# Altium PCB VNA_BASE_AF2P-5.PcbDoc (part 2 of 3)
Units mil, origin at the board's own origin, x right, y up, seen from the top; angles counter-clockwise.
Board outline 5118.11 x 2952.76 mil, 4 copper layers (Top Layer, GND, Signal Layer 1, Bottom Layer), stack 30.634 mil thick; 383 components, 339 nets, 1503 pads, 958 vias.
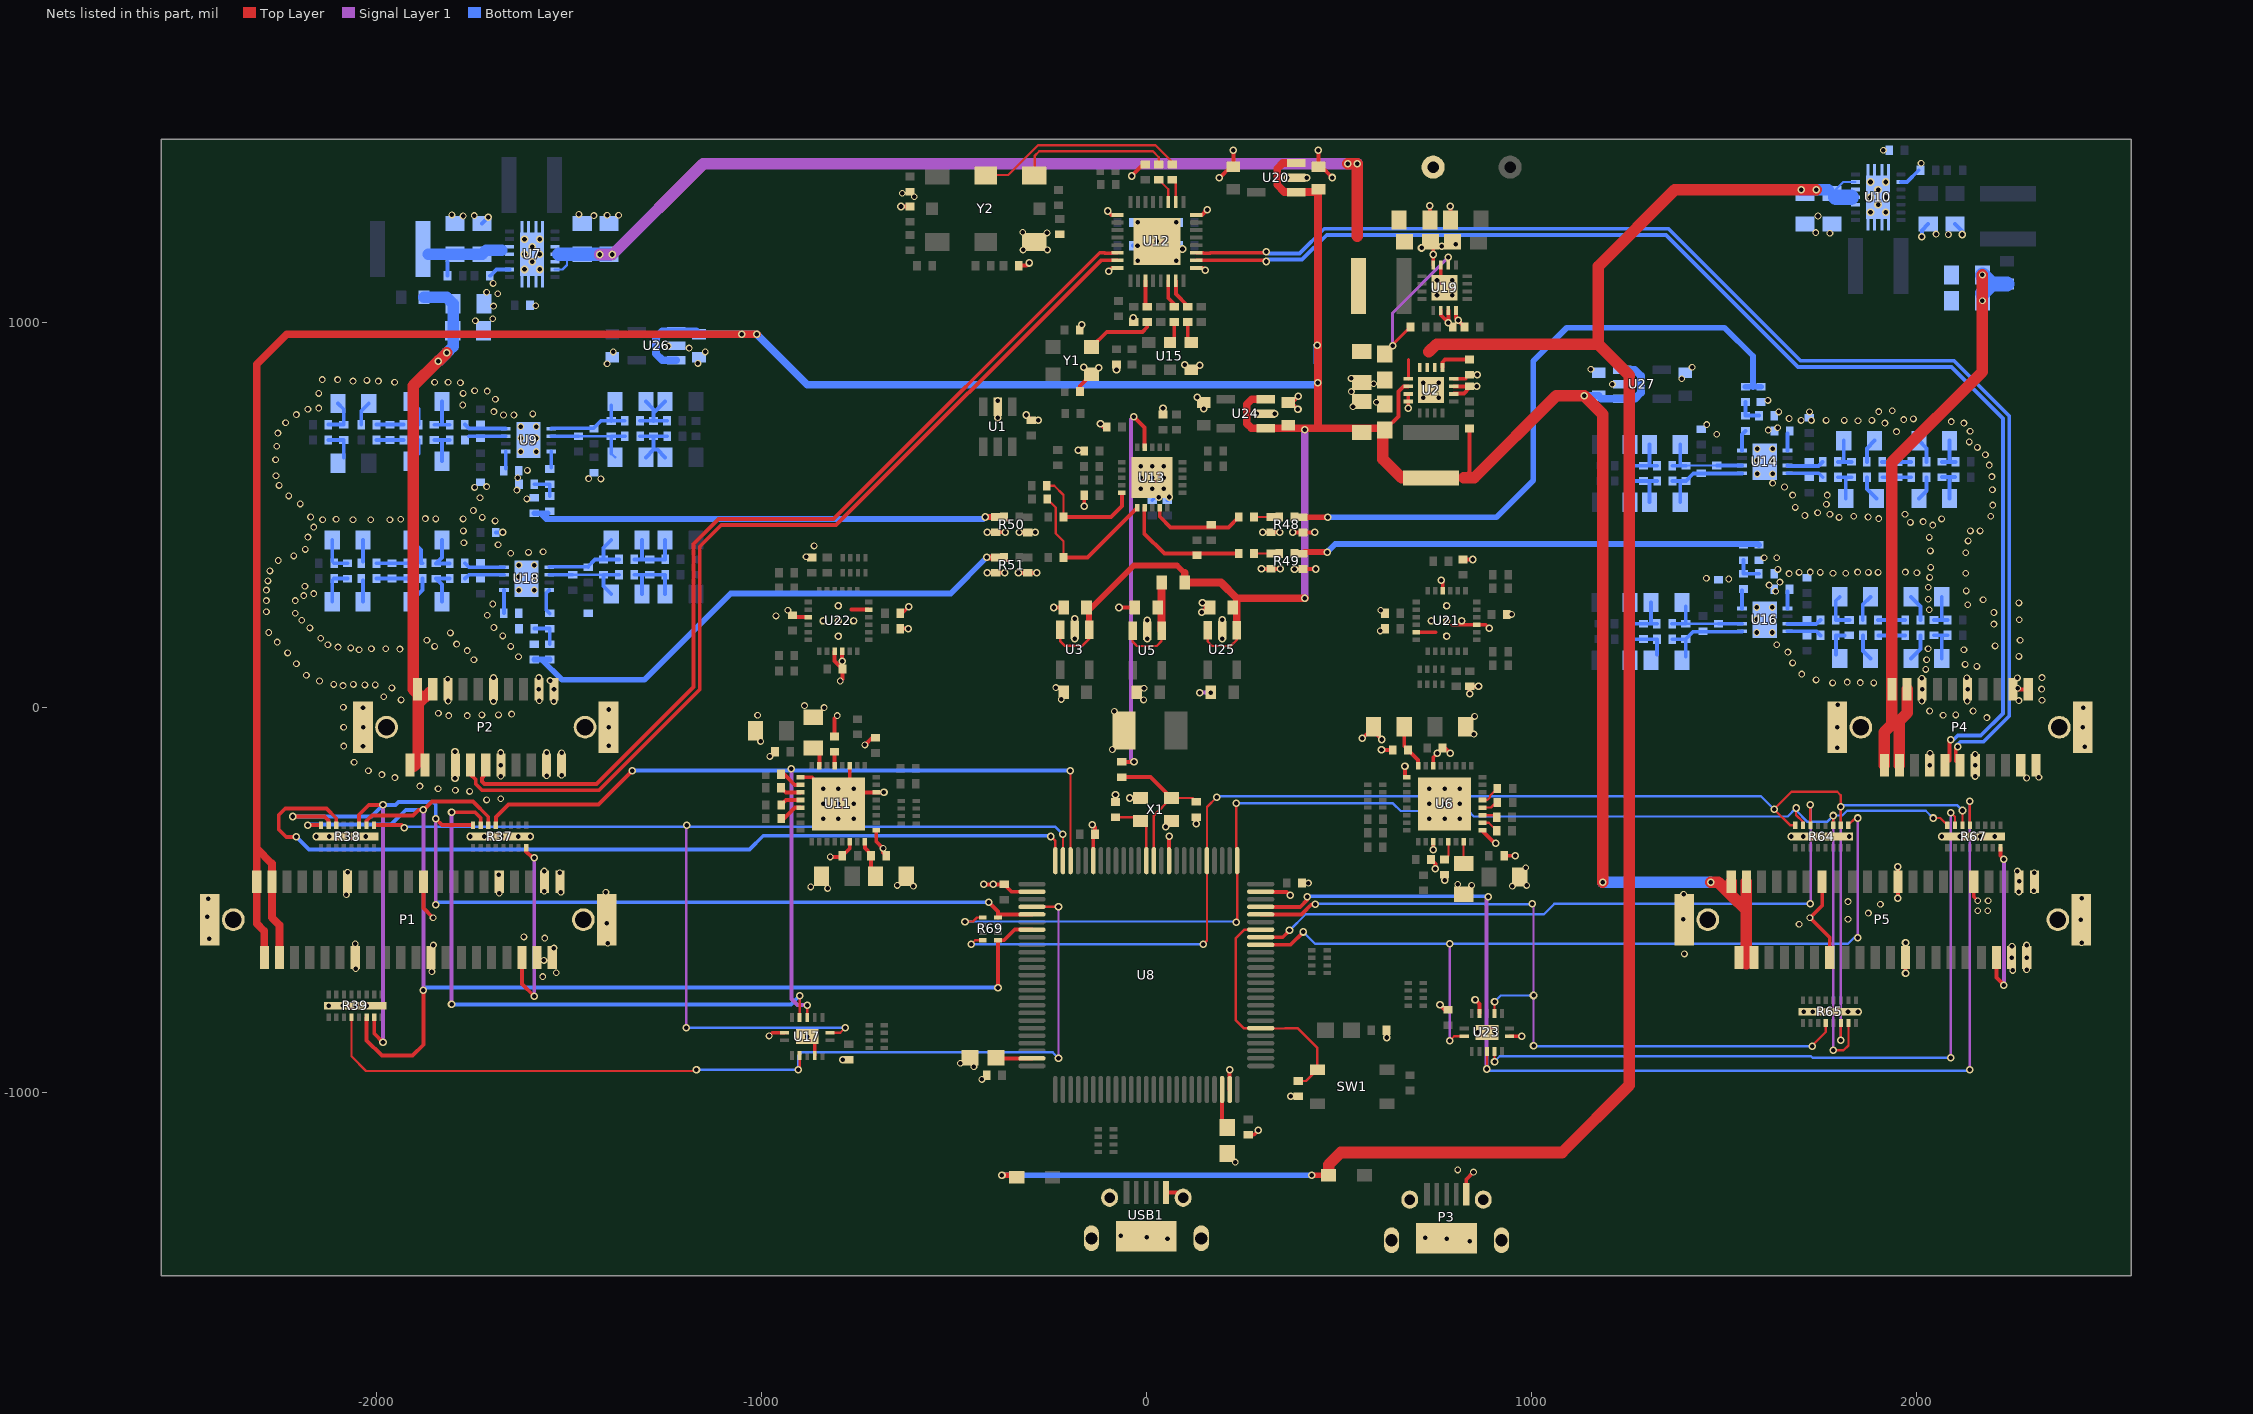
[diagram p4: the nets of this part, all layers, seen from the top]

## Via types
v1: diameter 19.68, hole 11.81, Top Layer to Bottom Layer, 478 vias
v2: diameter 17.72, hole 11.81, Top Layer to Bottom Layer, 464 vias
v3: diameter 20, hole 12, Top Layer to Bottom Layer, 16 vias

## Nets (pads, with @x,y where several pads share a name; then routed paths per layer and width w, separated by ;. In a path a pad name is that pad's centre, name@x,y a point inside that pad or via, vN(x,y) a via of type N, cw(c..) or ccw(c..) an arc to the next point about the centre after c; other vN are vias at no path point) (continued)
3.6V: C10.2 C11.2 C13.2 C193.2 C196.2 C198.2 C200.2 C202.2 L47.2 P1.1 P1.2 P1.40 P1.41 P5.1 P5.2 P5.40 P5.41 R5.1 R7.2 U2.14 U3.1 U3.3 U20.1 U20.3 U24.1 U24.3 U25.1 U25.3 U26.1 U26.3 U27.1 U27.3 | length 11147
  Top Layer w6: U3.3@-223.95,201.59 -223.95,172.95 -211.21,160.21 -166.79,160.21 -148.55,178.45 U3.1@-148.55,201.59 ; U25.3@159.44,201.15 159.44,171.56 171.28,159.72 218.72,159.72 234.84,175.84 U25.1@234.84,201.15
  Top Layer w10: C10.2@624.54,725.54 655,756 655,821.5 668.03,834.53 U2.14@680.63,834.53 ; L47.2@739.69,596.58 824.58,596.58 839.69,611.69 R5.1@839.69,725
  Top Layer w15: U3.1@-148.55,201.59 -148.55,253.08 -32.63,369 80,369 99.53,349.47
  Top Layer w20: P1.41@-2291.34,-649.61 -2291.34,-580.66 -2311.02,-560.98 -2311.02,-365.98 ; P1.40@-2251.97,-649.61 -2251.97,-565.03 -2271.65,-545.35 -2271.65,-405.35 -2311.02,-365.98 ; v1(-1011.53,969.53) v1(-1051,969.53) -2233.47,969.53 -2311.02,891.98 -2311.02,-365.98 ; 99.53,349.47 R7.2@99.53,325 194,325 234.84,284.16 ; U25.1@234.84,201.15 234.84,284.16 ; U24.3@310.15,800.94 273.94,800.94 261.1,788.1 261.1,737.9 273.46,725.54 U24.1@310.15,725.54 446,725.54 ; U20.3@389.4,1414.72 354.72,1414.72 339.87,1399.87 339.87,1358.13 358.69,1339.31 U20.1@389.4,1339.31 440.34,1339.31 446,1344.98 446,725.54 ; v1(412,284) 412.16,284.16 234.84,284.16 ; C10.2@619.69,720.69 614.83,725.54 446,725.54
  Top Layer w30: C10.2@614.83,725.54 614.83,645.17 663.42,596.58 L47.2@739.69,596.58 ; 824.58,596.58 851.58,596.58 1065,810 v1(1138,810) 1186,762 v1(1186,-454) ; v1(1466,-454) 1486.06,-454 1519.68,-487.63 ; P5.1@1519.69,-452.76 1519.68,-487.63 ; 1559.06,-666.06 1559.06,-527 ; P5.2@1559.06,-452.76 1559.06,-527 ; 1519.68,-487.63 1559.06,-527
  Signal Layer 1 w20: v1(412,284) v1(412,722)
  Bottom Layer w20: U26.3@-1220.81,902 -1257,902 -1274,919 -1274,961 -1257.6,977.4 U26.1@-1220.81,977.4 C200.2@-1169.88,977.4 ; C200.2@-1162,969.53 v1(-1051,969.53) v1(-1011.53,969.53) -881,839 440.95,839 v1(445.47,843.53) v1(444.47,941.53) ; v1(1138,810) C202.2@1174.53,810 ; C202.2@1181.94,802.58 U27.1@1236.52,802.58 1269.58,802.58 1285,818 1285,862 1269.02,877.98 U27.3@1236.52,877.98
  Bottom Layer w30: v1(1186,-454) v1(1466,-454)
5.5V-A: C42.1 C45.1 P2.10 P2.11 P2.12 P2.13 R23.1 | length 1412.8
  Top Layer w30: P2.11@-1903,-153 -1892,-142 -1892,9.22 ; P2.13@-1861.11,40.11 -1892,9.22 ; v1(-1839,900) v1(-1817,922) ; v1@-1839,901 -1904.33,835.67 -1904.33,47.24 -1892,34.91 -1892,9.22
  Bottom Layer w30: R23.1@-1876.47,1066 -1818,1066 C45.1@-1801,1049 -1801,938 v1(-1817,922) v1(-1839,900)
5.5V-B: C206.1 C208.1 P4.10 P4.11 P4.12 P4.13 R55.1 | length 1691.5
  Top Layer w30: P4.11@1917.32,-149.61 1917.32,-63.68 1937.01,-43.99 P4.12@1937.01,47.24 1937.01,637.01 2172.29,872.29 v2(2172.29,1057) v2(2172.29,1124.02) ; P4.10@1956.69,-149.61 1956.69,-34.31 1977,-14 1977,46.62 P4.13@1976.38,47.24
  Bottom Layer w39.37: C206.1@2172.29,1076.93 2195.83,1100.47 ; v2(2172.29,1124.02) 2195.83,1100.47 ; R55.1@2236,1100.47 2195.83,1100.47
5V: C8.1 C9.1 C43.1 C44.1 C48.2 C87.1 C88.1 C171.2 D1.2 D2.2 L48.2 R24.1 U2.10 U2.11 U2.12 U2.13 U7.10 U7.11 U7.12 U7.13 U10.10 U10.11 U10.12 U10.13 U19.14 | length 8185.6
  Top Layer w8: C9.1@619.69,922.44 R24.1@686.17,988.92 ; U2.13@680.63,854.21 680.63,904.37 ; U19.14@784.69,1149.98 v1(784.69,1169.69)
  Top Layer w15: v1(-375,-1215) D2.2@-341.46,-1215 ; v1(430,-1215) D1.2@473.54,-1215
  Top Layer w30: D1.2@473.54,-1215 473.54,-1187.46 505,-1156 1080,-1156 1255,-981 1255,863 1174,944 ; v1(523,1413) v1(548,1413) 548,1224 ; 734,924 754,944 1174,944 ; v1(1701,1345) v1(1740,1345) 1373,1345 1174,1146 1174,944
  Signal Layer 1 w8: v1(640,940) 640,1025 v1(784.69,1169.69)
  Signal Layer 1 w30: v1(-1420,1177) v1(-1387,1177) -1151,1413 v1(523,1413) v1(548,1413)
  Bottom Layer w6: U7.13@-1536.63,1138.26 -1516.74,1138.26 -1505,1150 -1505,1177.63 ; C43.1@1781.17,1335.87 1810.54,1365.24 U10.13@1842.11,1365.24
  Bottom Layer w15: v1(-375,-1215) v1(430,-1215)
  Bottom Layer w30: v1(1701,1345) v1(1740,1345) C43.1@1772.03,1345
  Bottom Layer w35: U7.11@-1527,1177.63 -1505,1177.63 C87.1@-1465.68,1177.63 C88.1@-1395.68,1177.63
  Bottom Layer w40: C43.1@1791.17,1325.87 U10.11@1831,1325.87
CS_CALI: P1.24 R37.8 | length 510.8
  Top Layer w10: P1.24@-1622.05,-649.61 -1622.05,-717.95 v1(-1590,-750) ; R37.8@-1611.1,-364.53 -1611.1,-373.9 -1595,-390 v1(-1590,-390)
  Signal Layer 1 w10: v1(-1590,-750) v1(-1590,-390)
CS_CALI2: P5.24 R67.8 | length 439.6
  Top Layer w10: P5.24@2208.66,-649.61 2208.66,-701.66 v1(2228,-721) ; R67.8@2218.9,-364.53 2218.9,-384.9 v1(2228,-394)
  Signal Layer 1 w10: v1(2228,-721) v1(2228,-394)
CS_LO: R38.9 U8.24 U17.1 | length 2859.8
  Top Layer w6: U17.1@-821.93,-844.87 -794.87,-844.87 v1(-782,-832) ; U8.24@-216.54,-397.76 v1(-216.54,-329.46)
  Top Layer w10: R38.9@-2006.1,-305.47 -1934.53,-305.47 v1(-1928,-312)
  Signal Layer 1 w6: v1(-1195,-832) -1195,-307 v1(-1194,-306)
  Bottom Layer w6: v1(-1928,-312) -1928,-316 -1922,-310 -236,-310 v1(-216.54,-329.46) ; v1(-1195,-832) v1(-782,-832)
CS_LO2: R64.9 U8.92 U23.1 | length 2221.7
  Top Layer w6: v1(788,-866) 800.16,-853.84 U23.1@825.94,-853.84 ; R64.9@1823.9,-305.47 1842.37,-287 v1(1848,-287)
  Top Layer w10: U8.92@297.24,-616.26 374.74,-616.26 v1(408,-583)
  Signal Layer 1 w6: v1(788,-866) v1(788,-614) ; v1(1848,-598) v1(1848,-287)
  Bottom Layer w6: v1(408,-583) 439,-614 v1(788,-614) 1822.32,-614 1838.32,-598 v1(1848,-598)
CS_SOURCE: R39.4 U8.29 U17.10 | length 2496.7
  Top Layer w6: R39.4@-2064.84,-804.53 -2064.84,-906.16 -2027,-944 v1@-1172,-944 ; v1(-904,-940.66) -900.67,-937.33 U17.10@-900.67,-903.92 ; U8.29@-297.24,-517.84 v1(-228.16,-517.84)
  Signal Layer 1 w6: v1(-228.16,-910.84) v1(-228.16,-517.84)
  Bottom Layer w6: v1(-1168.66,-940.66) v1(-904,-940.66) -904,-904.68 -895.16,-895.84 -243.16,-895.84 v1(-228.16,-910.84)
CS_SOURCE2: R65.4 U8.96 U23.10 | length 2026.2
  Top Layer w6: U23.10@904.68,-794.79 v1(904.68,-764.32) ; v1(1730,-880) 1730,-878 1765.16,-842.84 R65.4@1765.16,-819.53
  Top Layer w10: U8.96@297.24,-537.52 403.11,-537.52 412.16,-528.47 412.16,-528.37 424.37,-516.16 424.47,-516.16 429.63,-511 v1(439,-511)
  Signal Layer 1 w6: v1(1003,-510) 1006,-513 v1(1006,-748) v1(1006,-879)
  Bottom Layer w6: v1(439,-511) 440,-510 879.35,-510 880.2,-510.84 1002.16,-510.84 v1(1003,-510) ; v1(904.68,-764.32) 921,-748 v1(1006,-748) ; v1(1006,-879) 1007,-880 v1(1730,-880)
CSB_ATT: R38.14 U8.25 | length 2333.5
  Top Layer w6: v1(-248,-335) -236.22,-346.78 U8.25@-236.22,-397.76
  Top Layer w10: v1(-2208,-336) -2234.48,-336 -2254,-316.48 -2254,-279 -2237.16,-262.16 -2129.98,-262.16 -2104.53,-287.6 R38.14@-2104.53,-305.47
  Bottom Layer w10: v1(-2208,-336) -2175,-369 -1031,-369 -995,-333 -250,-333 v1(-248,-335)
CSB_ATT2: R64.14 U8.93 | length 1776.3
  Top Layer w6: v1(1725,-252) 1725,-305.47 R64.14@1725.47,-305.47
  Top Layer w10: U8.93@297.24,-596.58 354.42,-596.58 v1(372,-579)
  Signal Layer 1 w6: v1(1725,-510) 1725.84,-509.16 1725.84,-252.84 v1(1725,-252)
  Bottom Layer w6: v1(372,-579) 414,-537 1033,-537 1060,-510 v1(1725,-510)
GND: C1.1 C2.1 C3.1 C4.1 C5.1 C6.1 C7.1 C8.2 C9.2 C10.1 C11.1 C12.1 C13.1 C14.2 C15.1 C16.1 C17.1 C18.1 C19.1 C20.1 C21.1 C22.1 C23.1 C24.1 C25.1 C26.1 C29.1 C32.1 C33.1 C34.1 C36.1 C38.1 C39.1 C40.1 C41.1 C42.2 C43.2 C44.2 C45.2 C46.2 C47.2 C48.1 C49.1 C50.1 C55.1 C56.1 C57.1 C59.2 C60.1 C77.1 C78.1 C79.1 C81.2 C82.1 C86.2 C87.2 C88.2 C89.2 C101.1 C102.1 C103.1 C104.1 C105.1 C106.1 C107.1 C110.1 C113.1 C114.1 C115.1 C117.2 C118.1 C139.1 C140.1 C142.2 C143.1 C164.1@-299,746.69 C166.1 C171.1 C172.2 C173.1 C174.1 C175.1 C177.2 C181.1 C182.1 C183.1 C184.1 C186.2 C190.1 C191.1 C192.1 C193.1 C194.1 C195.1 C196.1 C197.1 C198.1 C199.1 C200.1 C201.1 C202.1 C203.1 C204.1 C205.2 C206.2 C207.2 C208.2 C209.2 C210.2 P1.0 P1.7 P1.12 P1.17 P1.20 P1.21 P1.22 P1.23 P1.30 P1.35 P2.0 P2.1 P2.2 P2.5 P2.8 P2.14 P2.17 P2.20 P2.21 P3.5 P4.0 P4.1 P4.2 P4.5 P4.8 P4.14 P4.17 P4.20 P4.21 P5.0 P5.7 P5.12 P5.17 P5.20 P5.21 P5.22 P5.23 P5.30 P5.35 R1.1 R6.2 R18.2 R20.2 R22.2 R27.2 R32.1 R34.1 R37.0 R38.0 R39.0 R43.1 R46.1 R48.3 R49.3 R50.3 R51.3 R54.2 R56.2 R64.0 R65.0 R67.0 R73.1 R74.1 R75.1 T2.1 U1.2 U2.0 U2.6 U2.7 U2.8 U2.15 U2.16 U3.2 U5.2 U6.0 U6.3 U6.9 U6.22 U6.25 U7.0 U7.2 U8.10 U8.20 U8.27 U8.74 U8.99 U9.0 U10.0 U10.2 U11.0 U11.3 U11.9 U11.22 U11.25 U11.30 U12.0 U12.1 U12.8 U12.17 U12.24 U13.0 U14.0 U15.3 U16.0 U17.0 U17.7 U17.12 U18.0 U19.0 U19.6 U19.7 U19.8 U19.15 U19.16 U20.2 U21.0 U21.9 U21.16 U21.23 U22.0 U22.9 U22.15 U22.16 U22.23 U23.0 U23.7 U23.12 U24.2 U25.2 U26.2 U27.2 USB1.5 X1.2 X1.4 Y1.2 Y2.3 | length 6093.8
  Top Layer w10: v1(-2156,-335) v1(-2123,-335) v1(-2073,-335) v1(-2028,-335) ; P1.12@-1877.95,-452.76 -1877.95,-521.05 v2(-1853,-546) ; v1(-1756,-335) v1(-1720,-335) v1(-1676,-335) v1(-1632,-335) v1(-1600,-335) ; v2(-980,-853) -971.87,-844.87 U17.7@-940.04,-844.87 ; C183.1@-914.2,234.84 U22.9@-878.74,234.84 ; U11.9@-898.43,-181.1 -868.9,-181.1 v1(-839.37,-210.63) v1(-800,-250) ; U17.12@-861.3,-903.92 U17.0@-861.3,-874.39 ; v2(-821,-388) -792.69,-388 C104.1@-789.69,-385 -770.47,-365.79 U11.22@-770.47,-348.43 ; C110.1@-810,-75.32 -810,-28 ; U22.15@-809.84,146.26 -809.84,120.48 C190.1@-789.4,100.04 v2@-789.4,74.6 ; v1(-790.16,120.16) U22.16@-790.16,146.26 ; v1(-788.68,-914.68) C191.1@-773,-914.68 ; U11.3@-770.47,-151.58 -770.47,-220.47 U11.30@-701.57,-220.47 v1(-681.53,-220.47) ; -765.47,254.53 U22.23@-721.26,254.53 ; v2(-731,-97) -712.39,-78.39 C101.1@-703.79,-78.39 ; U11.25@-701.57,-318.9 -701.57,-348.43 v2(-684,-366) -684,-376.32 C106.1@-675.32,-385 ; C184.1@-639.4,205.04 v1(-618.04,205.04) ; C182.1@-639.4,245.04 -633.96,245.04 v1(-617,262) ; v1(-637.32,1301.69) R73.1@-614,1301.69 ; v1(-422.69,-459.32) v1(-397.69,-459.32) C203.1@-369,-459.32 -349.85,-478.47 U8.27@-297.24,-478.47 ; v1(-413.69,455.31) v1(-366.31,455.31) ; v1(-412.69,350.31) v1(-367.31,350.31) ; v1(-386,753) U1.2@-386,781.19 v1(-386,797) ; v1(-332,350) v1(-285,350) ; R74.1@-331.32,1148 -311,1148 v1(-304,1155) ; v1(-330,455) v1(-289,455) ; v1(-312,760) -312,759.69 C164.1@-299,746.69 v1(-280.69,746.69) ; v1(-241,260) C13.1@-214.53,260 ; v1(-185.95,179.05) U3.2@-185.95,201.59 v1(-185.95,230.95) ; v1(-177,669) -174.48,666.48 C2.1@-161.37,666.48 ; C55.1@-172.8,981.1 -168,985.9 v1(-168,994) ; R27.2@-172.48,821.1 -172.48,835.47 Y1.2@-142.28,865.67 ; v1(-162,884) -143.67,865.67 Y1.2@-142.28,865.67 ; v1(-161.37,523.37) C1.1@-161.37,551.48 ; v1(-140,-305) -133.32,-311.68 C204.1@-133.32,-329 ; U8.20@-137.8,-397.76 C204.1@-137.8,-333.48 ; v1(-124,883) -141.33,865.67 Y1.2@-142.28,865.67 ; v1(-119,737) -111,729 C3.1@-102.68,729 ; v1(-100,1290) -90,1280 U12.1@-74.84,1280 ; v1(-98,1134) -89.8,1142.2 U12.8@-74.84,1142.2 ; C16.1@-80,-245.32 v1(-80,-227) ; v1(-77.48,877.48) C49.1@-77.48,891.42 ; v1(-71,260) C19.1@-29.53,260 ; v1(-43,-235) X1.4@-15,-235 ; v1(-38,1381) -8.21,1410.79 C7.1@-2.48,1410.79 ; v1(-34,1013) -32.48,1011.48 C5.1@-32.48,1001.42 ; v1(2.18,179.18) U5.2@2.18,199.74 v1(2.18,226.82) ; R1.1@43.31,761.16 v1(43.31,777.69) ; v1(50,-310) X1.2@65,-295 ; USB1.5@51.18,-1259.69 USB1.5@81.69,-1259.69 ; U8.10@59.05,-397.76 v1(59.05,-333.95) ; v1(100,891) 113.33,877.67 127.67,877.67 v1(139,889) ; U12.17@129.88,1142.2 146.8,1142.2 v1(153,1136) ; U12.24@129.88,1280 144.52,1280 v1(158,1293.48) ; v1(130,-302) C15.1@130,-284.69 ; v1(132,806) 145.53,792.47 C195.1@148.96,792.47 v1(148.96,776.04) ; v1(144,248) 156,260 C198.1@158,260 ; v1(146,272) C198.1@158,260 ; C198.1@165.47,260 C198.1@158,260 ; v1(166.95,39) C197.1@167.91,39.96 ; v1(190,1376) 219.24,1405.24 C192.1@226.21,1405.24 226.21,1447.79 v1(226,1448) ; v1(197.44,178.56) U25.2@197.44,201.15 v1(197.44,227.56) ; U8.74@216.54,-992.24 v1(216.54,-941.46) ; C40.1@265,-1109.69 279.31,-1109.69 v1(291,-1098) ; v1(286.94,762.94) U24.2@310.15,762.94 v1(333.94,762.94) ; U8.99@297.24,-478.47 297.24,-479 365,-479 v1(374,-488) ; v1(299.31,360.31) v1(347.69,360.31) ; v1(302.69,455.31) v1(346.69,455.31) ; v1(365.72,1376.72) U20.2@389.4,1376.72 v1(416.72,1376.72) ; C196.1@368.96,792.47 C196.1@376.53,792.47 ; v1(375,-1010) R20.2@395,-1010 ; v1(380,455) v1(438,455) ; v1(385,359) 386,360 v1(440,360) ; v1(394,775) C196.1@376.53,792.47 ; v1(395,809) 378.47,792.47 C196.1@376.53,792.47 ; v1(447.21,1447.79) C193.1@447.21,1405.24 454.76,1405.24 v1(483,1377) ; v1(561,-80) C26.1@590,-51 ; C26.1@590,-50 C26.1@590,-51 ; v1(611,-110) C25.1@640.31,-110 ; v1(612,-83) 590,-61 C26.1@590,-51 ; v1(624.21,-857.21) R18.2@624.21,-838.12 ; v1(672,-152) 672,-176.53 U6.25@676.57,-181.1 ; v1(680.63,777.63) U2.16@680.63,795.16 U2.15@680.63,814.84 ; U21.23@701.26,195.47 751.47,195.47 ; v1(715,1194) 731,1210 C48.1@738.46,1210 ; C171.1@736.85,1266.79 v1(736.85,1303.15) ; C20.1@739.68,-395 751,-406.32 v1(751,-419) ; U19.16@745.32,1149.98 v1(745.32,1177) C48.1@745.32,1203.14 ; v1(745.47,-369.47) U6.3@745.47,-348.43 ; U6.22@745.47,-151.58 745.47,-129.21 v1(756,-118.68) C24.1@769.68,-105 776,-105 v1(790,-119) ; v1(763,-772) 776.31,-785.31 C39.1@784,-785.31 ; U19.6@765.01,1031.87 765.01,1019.76 v1(784.69,1000.08) ; U19.0@765.01,1100.76 U19.15@765.01,1149.98 ; v1(766,331) 770.16,326.84 U21.16@770.16,303.74 ; v1(767,1198) 784,1198 C47.2@796,1210 798,1210 v1(804,1204) ; v1(775,-449) C29.1@775,-434.69 ; U19.7@784.69,1031.87 v1(784.69,1000.08) ; C46.2@789.85,1266.79 v1(789.85,1301.85) ; 795.84,215.16 U21.9@858.74,215.16 881.84,215.16 v1(891,206) ; R56.2@795.85,988.92 v1(784.69,1000.08) ; U2.6@798.74,814.84 798.74,816 825,816 839.69,830.69 R6.2@839.69,834.69 v1(858.69,834.69) ; U2.7@798.74,834.53 R6.2@839.53,834.53 ; U2.8@798.74,854.21 829.21,854.21 ; U19.8@804.38,1031.87 804.38,1011.39 v1(809.89,1005.89) C172.2@826.85,988.92 ; C181.1@823,384.69 v1(848.31,384.69) ; P3.5@831.18,-1264.69 831.18,-1225.82 v2(850,-1207) ; C14.2@839.69,864.69 v1(859.69,864.69) ; v1(840,36) C177.2@840,55 v1(863,55) ; v1(854,-759) 865.31,-770.31 U23.12@865.31,-794.79 ; v1(861,-844) U23.0@885,-844 v1(906,-844) ; U6.9@873.43,-318.9 873.43,-320.67 905.76,-353 v1(908,-353) ; C23.1@929.68,-385 v1(958,-385) ; U23.7@944.05,-853.84 v1(974.84,-853.84) ; v1(1676,-335) v1(1707,-335) v1(1826,-335) ; v1(1708,-790) v1(1731,-790) v1(1823,-790) ; P5.7@1755.91,-452.76 1755.91,-514.09 v2(1724,-546) 1775.59,-597.59 P5.35@1775.59,-649.61 ; v1(1849,-790) v1(1823,-790) ; R65.0@1850,-791 1824,-791 v1(1823,-790) ; v1(1952.76,-495.76) v1(1952.76,-413.24) ; v1(1972.44,-690.44) v1(1972.44,-611.56) ; v1(2066,-335) v1(2114,-335) v1(2166,-335) v1(2204,-335) ; P5.17@2149.61,-452.76 2149.61,-491.61 v2(2160,-502) ; v2@2266.76,47.24 P4.21@2291.34,47.24
  Signal Layer 1 w10: v1(139,39) v1(166.95,39)
  Bottom Layer w10: C89.2@-1725.68,1257.63 v1(-1710,1273.31) ; R54.2@-1705.68,1121.63 -1704.47,1121.63 -1687.84,1138.26 U7.2@-1654.74,1138.26 ; R32.1@-1690.32,455 v1(-1672,455) ; C33.1@-35.31,1200 v1(-22.87,1200) ; C4.1@15.31,538.43 22.89,546 v1(32,546) ; C36.1@54.68,538.43 60,543.74 v1(60,547) ; C6.1@85.32,1200 v1(94,1191.32) ; U10.2@1960.22,1365.24 1976.24,1365.24 R22.2@2006.87,1395.87 ; v1(2015,1223) 2015,1239.7 C207.2@2031.17,1255.87 ; C205.2@2101.17,1255.87 2120,1237.03 v1(2120,1229)
  other v1: -839.37,-289.37 -800,-289.37 -760.63,-289.37 735.63,-289.37 775,-289.37 814.37,-289.37 -839.37,-250 -760.63,-250 735.63,-250 775,-250 814.37,-250 -800,-210.63 -760.63,-210.63 735.63,-210.63 775,-210.63 814.37,-210.63 -1796,-184 -1796,-115 -14.21,567.95 15.31,567.95 44.84,567.95 -14.21,597.48 15.31,597.48 44.84,597.48 -14.21,627.01 15.31,627.01 44.84,627.01 720,805 759.37,805 720,844.37 759.37,844.37 755.17,1071.24 794.54,1071.24 755.17,1110.61 794.54,1110.61
  other v2: 840,-1387 55,-1380 780,-1380 725,-1377 1,-1376 -66,-1372 809,-1201 231,-1181 -427,-966 -448,-933 -483,-924 -881,-855 -2124,-775 -2054,-775 -2025,-775 -2087,-774 -1568,-699 -1533,-689 -1856,-686 2251,-683 2287,-681 -2054,-678 -1565,-657 2248.03,-649.61 2287.4,-649.61 1398,-640 -1539,-625 2249,-620 -1852,-617 2287,-617 -2055,-614 -1399,-612 2430,-611 -2434,-601 -1563,-599 -1617,-596 1696,-563 -1402,-560 2428,-551 1395,-550 1823,-550 -2440,-543 1876,-534 2160,-528 2186,-528 1907,-511 1823,-504 2187,-502 -2437,-497 2430,-496 -2078,-486 1396,-485 -1681,-482 -1521,-480 -1404,-480 2267,-479 -1564,-477 2306,-476 -828,-470 -872,-466 -605,-464 951,-464 -647,-462 845,-462 988,-462 809,-459 421,-456 2268,-451 -1682,-434 -1524,-429 2307,-429 -2075,-428 -1564,-425 2263,-425 986,-416 -1714,-240 -1677,-237 -1758,-218 -1795,-215 -1840,-211 -1887,-204 2287,-183 -1952,-182 2319,-181 2153,-179 -1677,-178 -1558,-177 -1519,-176 -1986,-174 -2021,-164 -1676.63,-149.42 2035.43,-149.61 2153.54,-149.61 -2058,-142 -978,-127 2153,-122 2036,-119 -1519,-118 -1677,-117 -1558,-117 -88,-109 1795,-104 2438,-102 -2035,-101 -2085,-100 -1397,-99 -1002,-88 851,-69 -2085.43,-51.18 -2034.9,-51 -1397.1,-51 1795.28,-51.18 2433.07,-51.18 2184,-26 853,-23 -1812,-21 -1764,-21 -803,-21 -1010,-20 2070,-20 -1726,-19 -1683,-19 2103,-19 -1649,-17 -1839,-15 -83,-10 2035,-9 2148,-9 -1397,-5 -2035,0 -837,0 2434,0 -2086,1 -888,5 1796,7 -1696,16 -1539,16 -1814,17 2015,17 2133,17 -1577,18 2267,18 2327,19 -1936,20 -7,20 -221,21 -1981,28 -1578.2,47.43 -1538.83,47.43 2015.75,47.24 2133.86,47.24 2326,48 -6,50 2264,50 -1960,51 -235,52 -2087,57 -2030,59 -2003,59 -2111,60 -2060,60 1783,64 1890,64 1855,65 1821,66 -2148,69 -795,69 -1549,70 1740,72 -1815,73 2015,76 2132,77 2263,77 -1696,78 -1578,78 2327,78 -2182,84 1703,87 2025,99 2158,107 2127,112 -2208,114 1679,116 -1747,124 2027,124 -1631,132 2267,133 -2231,142 1667,144 -1764,148 -2045,150 2124,150 -1939,152 -2013,153 -1976,153 2031,153 -2067,155 -2100,157 -1849,159 -1651,159 2205,160 -2126,163 1638,163 -1792,165 -2258,170 -1869,175 2270,175 -2145,180 -1672,186 -1808,194 -2280,195 1586,195 1626,195 608,199 -2173,207 -1695,208 2202,217 -2194,227 2268,228 1586,230 1626,230 -962,238 -1712,240 949,242 -2211,245 2202,247 -2286,249 -931,253 609,253 2034,254 1586,260 1626,260 2134,267 -1698,269 2267,272 -2286,278 -2211,278 2174,280 2031.44,281.5 -2189,291 -2163,296 1635,302 2130,303 -2286,305 -1630,305 -1590,305 2031.44,312.64 -2186,315 1618,318 1646,326 -2282,329 1513,334 1455,336 2035,338 -1630,340 -1590,340 1670,348 1784,349 1817,349 2129,349 2002,350 1696,351 1751,351 1876,351 1901,351 1725,352 1848,352 1972,352 -2277,355 1641,359 2038,364 -1630,370 -1590,370 -2255,382 1605,389 1638,389 -884,392 -2215,394 -1651,401 2129,402 -1605,403 -1567,405 2037,407 -2185,411 -863,420 -1684,423 -1773,428 2135,433 2034,442 -2178,443 -1774,459 2141,459 2166,459 -2163,469 2043,474 1985,481 2018,483 -1692,485 -2140,488 -2061,488 -2015,488 -1965,488 -2105,489 -1937,489 -1846,490 -1775,490 2066,490 -1873,491 1903,491 -1725,494 1800,494 -2171,495 1875,495 1838,497 2194,497 1711,499 1776,502 1971,502 1744,506 -1748,512 1686,520 2199,526 1767,528 -2198,529 -1609,542 -1731,545 -2228,550 1679,552 1769,552 -1635,565 2198,566 -1745,572 1658,573 -1714,574 -2253,577 1627,583 -1417,594 -1449,595 -1633,597 2197,600 -2261,602 1587,607 1627,607 -1608,616 2190,630 1587,642 1627,642 -2262,644 2180,657 -1625,665 -1585,665 1587,672 1627,672 2159,676 -2259,679 2138,690 -1625,700 -1585,700 1482,710 -2256,713 1949,717 2140,718 1616,721 1640,727 -1625,730 -1585,730 1456,735 1919,739 2124,739 -2236,740 2091,743 1849,745 1701,746 1728,746 1766,746 1813,746 1885,746 1968,748 1993,750 1670,751 -1670,760 -1643,760 -2208,761 -1594,763 1643,768 1723,768 -1695,769 1903,769 1938,771 -2178,775 -2150,778 537,782 -1776,786 598,793 1615,798 -1691,801 -2150,816 -1775,816 533,821 -1712,822 -1745,823 1211,840 591,841 -1782,844 -1953,845 -1849,845 -1814,845 -2061,848 -1995,848 -2025,850 -2141,852 -2101,852 1391,854 532,855 1155,879 1418,884 -1401,893 -1165,894 -1385,924 -1146,924 -1188,934 -1242,939 -1743,1005 -1698,1010 -1696,1043 -1586,1044 -1685,1075 -1714,1079 -1697,1102 -22.48,1161.1 77.52,1161.1 -320,1189 -257,1189 27.52,1211.1 2084,1229 2052,1230 1776,1232 -258,1233 1739,1234 -321,1235 -22.48,1261.1 77.52,1261.1 -1775,1277 1745,1277 -1746,1278 -1435,1278 -1401,1279 -1371,1279 -1804,1280 -1474,1281 -603,1327 -634,1336 2013,1414 1915,1448